# Altium PCB BW1098OBC.PcbDoc (part 2 of 3)
Units mm, origin at the board's own origin, x right, y up, seen from the top; angles counter-clockwise.
Board outline 100 x 46 mm, 4 copper layers (Top Copper, Layer 2, Layer 3, Bottom Layer), stack 1.577 mm thick; 138 components, 116 nets, 517 pads, 385 vias.
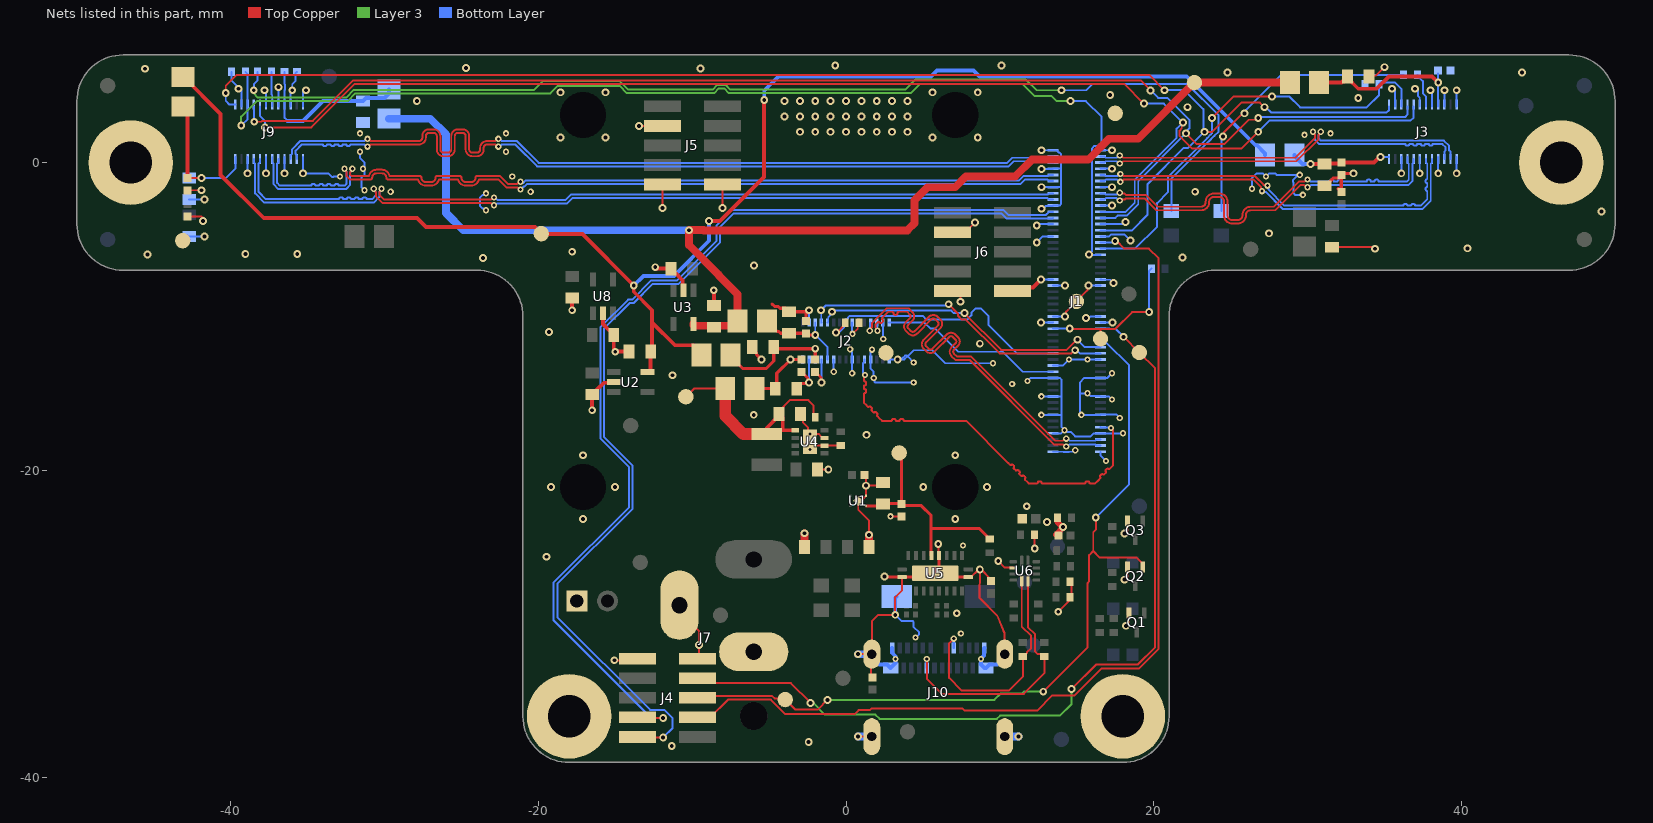
[diagram p4: the nets of this part, all layers, seen from the top]

## Via types
v1: diameter 0.508, hole 0.254, Top Copper to Bottom Layer, tented both sides, 256 vias
v2: diameter 0.406, hole 0.203, Top Copper to Bottom Layer, tented both sides, 111 vias
v3: diameter 0.508, hole 0.254, Top Copper to Bottom Layer, 16 vias
v4: diameter 0.3, hole 0.203, Top Copper to Bottom Layer, 2 vias

## Nets (pads, with @x,y where several pads share a name; then routed paths per layer and width w, separated by ;. In a path a pad name is that pad's centre, name@x,y a point inside that pad or via, vN(x,y) a via of type N, cw(c..) or ccw(c..) an arc to the next point about the centre after c; other vN are vias at no path point) (continued)
1V05: C22.2 FB3.1 L1.2 R7.2 TP13.1 U4.5 | length 16
  Top Copper w0.127: TP13.1@-10.41,-15.228 -9.882,-14.7 FB3.1@-7.85,-14.7 ; C22.2@-4.35,-16.4 C22.2@-4.35,-16.35 -4.35,-16.15 -3.65,-15.45 -2.45,-15.45 -2.1,-15.8 -2.1,-16.45 R7.2@-2,-16.55
  Top Copper w0.254: L1.2@-5.15,-17.65 -5.15,-17.25 -4.35,-16.45 C22.2@-4.35,-16.4 ; L1.2@-5.025,-17.525 -4.9,-17.4 -4.109,-17.4 ; C22.2@-4.35,-16.35 -4.109,-16.591 -4.109,-17.4 ; U4.5@-3.3,-17.4 -4.109,-17.4
  Top Copper w0.762: FB3.1@-7.85,-14.7 -7.85,-16.471 -6.671,-17.65 L1.2@-5.15,-17.65
1V05_IMX378: C1.2 C2.2 FB3.2 J2.15 | length 5.2
  Top Copper w0.203: FB3.2@-5.95,-14.7 C2.2@-4.6,-14.7 -4.5,-14.6 -4.5,-13.7 v1(-3.6,-12.8) C1.2@-2.9,-12.8
  Bottom Layer w0.127: v1(-3.6,-12.8) J2.15@-2.8,-12.8
1V8: C18.2 FB2.1 FB5.1 FB8.1 TP11.1 U2.5 | length 100.9
  Top Copper w0.254: FB8.1@-43.1,5.55 -43.069,5.581 -40.651,3.163 -40.651,-0.799 -37.85,-3.6 -27.9,-3.6 -27.3,-4.2 -20.231,-4.2 TP11.1@-19.808,-4.623 -19.793,-4.637 -17.142,-4.637 -13.8,-7.979 v1(-13.8,-8) -13.8,-8.4 -12.6,-9.6 -12.6,-10.4 ; U2.5@-12.9,-13.625 -12.773,-13.625 -12.7,-13.552 C18.2@-12.7,-12.275 -12.6,-12.175 -12.6,-10.4 ; FB2.1@-9.4,-12.5 -9.4,-12.4 -9.923,-11.877 -11.123,-11.877 -12.6,-10.4 ; v1(-8.9,-3.8) -8.191,-3.8 -5.325,-0.934 -5.325,4.05 v1(-5.312,4.063)
  Bottom Layer w0.254: v1(-13.8,-8) -13.165,-7.365 -11.185,-7.365 -8.905,-5.085 -8.905,-3.795 v1(-8.9,-3.8) ; v1(-5.312,4.063) -5.312,4.688 -4.4,5.6 5.531,5.6 5.908,5.977 8.292,5.977 8.669,5.6 22.15,5.6 26.627,1.123 26.727,1.123 27.25,0.6 FB5.1@27.25,0.5
1V8_IMX378: C3.2 C4.2 FB2.2 J2.13 | length 8.5
  Top Copper w0.203: FB2.2@-7.5,-12.5 -7.5,-12.6 -6.7,-13.4 -5.2,-13.4 -4.7,-12.9 -4.7,-12.1 C4.2@-4.7,-12 -4.6,-12.1 v1(-2,-12.1) C3.2@-2,-12.8
  Bottom Layer w0.127: J2.13@-2,-12.8 v1(-2,-12.1)
1V8_L: C9.2 C10.2 FB5.2 J3.1 | length 6.6
  Top Copper w0.254: v1(30.2,-0.1) C10.2@31.1,-0.1 31.15,-0.05 32.15,-0.05 C9.2@32.2,0 34.331,0 34.683,0.352 v1(34.752,0.352)
  Bottom Layer w0.127: v1(34.752,0.352) 34.76,0.36 J3.1@35.3,0.36
  Bottom Layer w0.254: FB5.2@29.15,0.5 29.15,0.423 29.673,-0.1 v1(30.2,-0.1)
1V8_R: C25.2 C26.2 FB8.2 J9.1 | length 9.7
  Top Copper w0.127: C25.2@-42.8,-1 v1(-41.9,-1)
  Top Copper w0.254: FB8.2@-43.1,3.65 -42.8,3.35 C25.2@-42.8,-1
  Bottom Layer w0.127: C26.2@-42.7,-1 -40.3,-1 -39.7,-0.4 J9.1@-39.7,0.36
2V8: C20.2 FB1.1 FB4.1 FB7.1 TP12.1 U3.5 | length 79.8
  Top Copper w0.508: U3.5@-9.925,-10.5 -9.925,-10.55 -9.871,-10.604 -8.671,-10.604 C20.2@-8.575,-10.7 -8.479,-10.604 -7.354,-10.604 FB1.1@-7.05,-10.3 -7.05,-8.556 -8.289,-7.317 -8.289,-7.285 -10.2,-5.374 v1(-10.2,-4.4) -10.192,-4.392 -9.248,-4.392 -9.232,-4.408 3.992,-4.408 4.456,-3.944 4.456,-2.444 5.3,-1.6 7.1,-1.6 7.8,-0.9 11,-0.9 12.1,0.2 12.44,0.2 12.448,0.192 15.752,0.192 17.103,1.543 18.993,1.543 TP12.1@22.65,5.2 FB4.1@28.85,5.2
  Bottom Layer w0.508: FB7.1@-29.7,2.85 -27.024,2.85 -26.005,1.832 -26.005,-3.274 -24.879,-4.4 v1(-10.2,-4.4)
2V8_IMX378: C5.2 C6.2 FB1.2 J2.11 J2.18 | length 6.2
  Top Copper w0.203: FB1.2@-5.15,-10.3 -4.464,-10.987 -4.364,-10.987 -4.25,-11.1 C6.2@-3.7,-11.1 ; C6.2@-3.6,-11.1 C5.2@-2.6,-11.1 -2.5,-11.2 v1(-2,-11.2)
  Bottom Layer w0.127: J2.18@-2,-10.4 v1(-2,-11.2) -1.2,-12 J2.11@-1.2,-12.8
2V8_L: C11.2 C12.2 FB4.2 J3.16 | length 10.9
  Top Copper w0.254: FB4.2@30.75,5.2 32.2,5.2 32.277,5.277 32.377,5.277 C12.2@32.6,5.5 ; C12.2@32.6,5.6 C12.2@32.6,5.5 ; v1(38.5,5.2) 38.1,5.6 35.3,5.6 34.5,4.8 33.3,4.8 C12.2@32.6,5.5
  Bottom Layer w0.127: J3.16@38.5,3.64 J3.16@38.5,3.775 38.5,4.51 38.482,4.527 38.482,4.873 38.5,4.89 v1(38.5,5.2) C11.2@38.5,5.8
2V8_R: C27.2 C28.2 FB7.2 J9.16 | length 10.9
  Bottom Layer w0.127: C27.2@-36.5,5.9 -36.5,5.091 -36.482,5.073 -36.482,4.727 -36.5,4.709 J9.16@-36.5,3.775 -36.5,2.9 -36.3,2.7
  Bottom Layer w0.254: -36.3,2.7 -35.3,2.7 -34,4 C28.2@-31.4,4 -31.2,4.2 -30,4.2 -29.7,4.5 FB7.2@-29.7,4.75
3V3: C15.2 C35.2 R13.2 TP9.1 U1.1 U5.6 | length 14.7
  Top Copper w0.203: U1.1@1.305,-22.33 2.27,-22.33 C15.2@2.4,-22.2 2.439,-22.161 3.6,-22.161 3.6,-19.021 TP9.1@3.455,-18.877 ; C35.2@3.6,-22.2 3.7,-22.3 4.9,-22.3 5.527,-22.927 5.527,-23.8 ; U5.6@5.55,-25.55 5.527,-25.527 5.527,-23.8 ; R13.2@9.343,-24.468 9.293,-24.468 9.195,-24.37 9.195,-24.32 8.675,-23.8 5.527,-23.8
2485_PGOOD: J1.37 J4.5 Q2.1 TP1.1 | length 52.9
  Top Copper w0.127: J4.5@-9.65,-34.8 -9.534,-34.685 -4.796,-34.685 -4.642,-34.838 -4.024,-34.838 -3.316,-35.546 -1.814,-35.546 v1(-1.204,-34.937) ; v1(12.824,-34.399) 15.706,-31.517 15.706,-27.333 15.805,-27.233 15.805,-25.52 16.073,-25.252 ; v1(16.239,-23.077) 16.239,-23.862 16.073,-24.027 16.073,-25.252 ; Q2.1@19.3,-26.29 19.3,-26.085 18.894,-25.679 16.5,-25.679 16.073,-25.252
  Layer 3 w0.127: v1(-1.204,-34.937) 9.652,-34.937 10.073,-34.515 11.444,-34.515 11.56,-34.399 v1(12.824,-34.399)
  Bottom Layer w0.127: v1(16.239,-23.077) 18.4,-20.916 18.4,-13.189 16.958,-11.746 16.947,-11.746 J1.37@16.8,-11.6
2485_WAKEUP: J1.41 J4.7 TP3.1 | length 56.1
  Top Copper w0.127: J4.7@-9.65,-33.53 -9.333,-33.847 -3.583,-33.847 v1(-2.3,-35.129) ; v1(14.668,-34.22) 16.256,-32.632 18.981,-32.632 20.093,-31.52 20.093,-13.374 TP3.1@19.07,-12.351 v1(18.047,-11.328)
  Layer 3 w0.127: v1(-2.3,-35.129) -2.14,-35.129 -1.373,-35.896 1.915,-35.896 2.185,-36.165 9.815,-36.165 10.024,-35.957 13.91,-35.957 14.668,-35.199 v1(14.668,-34.22)
  Bottom Layer w0.127: J1.41@16.559,-10.819 J1.41@16.54,-10.8 17.131,-10.8 17.15,-10.819 17.539,-10.819 v1(18.047,-11.328)
AUX_IO_IRQ: J1.69 J4.3 | length 62.4
  Top Copper w0.127: J4.3@-9.65,-36.07 -8.83,-36.07 -7.672,-34.911 -4.89,-34.911 -3.942,-35.859 0.564,-35.859 0.823,-35.6 1.554,-35.6 1.677,-35.477 7.571,-35.477 7.728,-35.635 12.424,-35.635 13.421,-34.637 14.863,-34.637 16.6,-32.9 19.034,-32.9 20.32,-31.614 20.32,-6.231 19.689,-5.6 18.095,-5.6 17.595,-5.1 v1(17.5,-5.1)
  Bottom Layer w0.127: J1.69@16.54,-5.2 17.42,-5.2 17.5,-5.12 v1(17.5,-5.1)
CAM_A_CLK_OUT: J1.28 J2.30 | length 12
  Bottom Layer w0.127: J2.30@2.8,-10.4 5.1,-10.4 5.5,-10.8 5.8,-10.8 7.3,-12.3 10.2,-12.3 11.5,-13.6 J1.28@13.46,-13.6
CAM_A_PWDN_N: J1.34 J2.23 R1.1 | length 17.8
  Top Copper w0.127: v1(-0.652,-11.052) -0.602,-11.052 0,-10.45 R1.1@-0.05,-10.4
  Bottom Layer w0.127: v1(-0.652,-11.052) -0.579,-10.979 -0.388,-10.979 -0.127,-10.718 -0.127,-10.667 0,-10.54 0,-10.26 0.126,-10.134 0.126,-10.082 0.222,-9.987 5.008,-9.987 5.226,-10.205 7.872,-10.205 8.149,-9.928 8.149,-9.76 8.427,-9.483 8.773,-9.483 9.273,-9.983 9.273,-10.573 11.1,-12.4 J1.34@13.46,-12.4
CAM_B_CLK_OUT: J1.73 J3.24 J9.24 | length 91.9
  Top Copper w0.127: v1(-40.324,4.523) -40.324,4.983 -39.603,5.704 19.704,5.704 v1(20.704,4.704) ; v1(23.3,2) 23.8,2 25.7,3.9 26.9,3.9 v1(27.2,3.6)
  Bottom Layer w0.127: v1(-40.324,4.523) -40.324,4.015 -40.084,3.775 J9.24@-39.7,3.775 ; J1.73@16.54,-4.4 16.558,-4.417 18.583,-4.417 19.6,-3.4 19.6,-1.4 21.95,0.95 22.25,0.95 v1(23.3,2) 23.227,2.073 23.227,3.473 21.996,4.704 v1(20.704,4.704) ; v1(27.2,3.6) 27.303,3.6 27.662,3.241 35.134,3.241 35.3,3.407 J3.24@35.3,3.64
CAM_B_D_PWM: J1.65 J9.22 R9.1 | length 72.8
  Layer 3 w0.127: v1(-39.318,2.411) -39.318,2.982 -38.3,4 -32.4,4 -31.9,4.5 -19.225,4.5 -18.74,4.985 -14.706,4.985 -14.239,4.517 -8.573,4.517 -8.273,4.817 -7.927,4.817 -7.627,4.517 4.217,4.517 4.8,5.1 11.5,5.1 12.283,4.317 13.373,4.317 13.69,4 v1(14.6,4)
  Bottom Layer w0.127: v1(-39.318,2.411) -38.9,2.828 J9.22@-38.9,3.775 -38.9,4.51 -38.917,4.527 -38.917,4.873 -38.9,4.89 -38.9,5.75 R9.1@-39.05,5.9 ; v1(14.6,4) 15.6,4 16.618,2.983 16.618,1.318 16.382,1.082 16.151,1.082 16,0.931 16,-5.769 v1(15.789,-5.98) 15.81,-6 J1.65@16.54,-6
CAM_B_PWDN_N: J1.67 J3.22 R2.1 | length 28.4
  Top Copper w0.127: v1(23.8,2.9) 25.2,4.3 v1(27.7,4.3)
  Bottom Layer w0.127: J1.67@16.54,-5.6 18.781,-5.6 20.22,-4.161 20.22,-2.631 20.923,-1.928 20.923,-0.966 23.471,1.583 23.473,1.583 23.717,1.827 23.717,1.829 23.8,1.911 v1(23.8,2.9) ; v1(27.7,4.3) 28.8,4.3 29.517,3.583 33.848,3.583 34.65,4.385 R2.1@34.65,5.1 34.767,5.218 35.673,5.218 36.1,4.79 J3.22@36.1,3.775 J3.22@36.1,3.64
CC1: J10.A5 R18.2 U6.1 | length 15.5
  Top Copper w0.127: v2(7.005,-30.951) 6.7,-31.256 6.7,-33.5 7.507,-34.307 10.607,-34.307 11.5,-33.414 R18.2@11.5,-32.1 11.55,-32.1 11.762,-31.888 11.762,-31.838 12.031,-31.569 12.031,-30.776 11.425,-30.169 U6.1@11.425,-27.2
  Bottom Layer w0.158: J10.A5@7,-31.55 7.002,-31.548 7.002,-30.954 v2(7.005,-30.951)
CC2: J10.B5 R19.2 U6.2 | length 17.1
  Top Copper w0.127: v2(5.252,-32.272) 5.252,-33.552 6.234,-34.534 11.566,-34.534 12.9,-33.2 R19.2@12.9,-32.1 12.742,-31.942 12.44,-31.942 12.288,-31.79 12.288,-30.669 11.825,-30.206 U6.2@11.825,-27.2
  Bottom Layer w0.152: J10.B5@5.25,-32.85 J10.B5@5.25,-32.85 5.251,-32.273 v2(5.252,-32.272)
COM_AUX_IO2: J1.42 R4.1 TP4.1 | length 10.3
  Top Copper w0.127: v1(14.543,-10.778) 14.584,-10.819 16.528,-10.819 ; TP4.1@16.548,-11.456 16.548,-10.839 16.528,-10.819 ; v1(19.709,-9.719) 18.596,-9.719 17.496,-10.819 16.528,-10.819
  Bottom Layer w0.127: J1.42@13.46,-10.8 14.521,-10.8 v1(14.543,-10.778) ; v1(19.709,-9.719) 19.709,-7.041 R4.1@19.85,-6.9
FSIN1: R3.2 R24.2 | length 18.5
  Top Copper w0.127: v1(24.5,1.7) 24.573,1.773 24.573,1.973 25.8,3.2 v1(25.9,3.2)
  Bottom Layer w0.127: R24.2@24.4,-3.15 24.4,1.497 24.5,1.597 v1(24.5,1.7) ; v1(25.9,3.2) 25.9,3.3 28.3,5.7 R3.2@36.25,5.7
FSIN1_IN: J3.18 R3.1 | length 2.3
  Bottom Layer w0.127: R3.1@37.15,5.7 37.15,5.65 37.5,5.3 37.5,4.5 37.7,4.3 J3.18@37.7,3.775 J3.18@37.7,3.64
FSIN2: R10.2 R26.2 | length 74.3
  Layer 3 w0.127: v1(-38.5,4.7) -38.5,4.5 -38.227,4.227 -32.494,4.227 -31.994,4.727 -20.273,4.727 -19.7,5.3 -14.7,5.3 -14.144,4.744 -8.667,4.744 -8.367,5.044 -7.833,5.044 -7.533,4.744 3.845,4.744 4.5,5.4 11.7,5.4 12.4,4.7 v1(14,4.7)
  Bottom Layer w0.127: v1(-38.5,4.7) -38.5,5.103 -38.25,5.353 R10.2@-38.25,5.9 ; v1(14,4.7) 15.624,4.7 16.045,5.121 22.169,5.121 24.218,3.073 24.218,2.008 23.944,1.735 23.944,1.733 23.567,1.356 23.565,1.356 21.15,-1.06 R26.2@21.15,-3.15
FSIN2_IN: J9.18 R10.1 | length 2.3
  Bottom Layer w0.127: R10.1@-37.35,5.9 -37.35,4.428 -37.3,4.378 J9.18@-37.3,3.775 J9.18@-37.3,3.64
GND: B1.1 C1.1 C2.1 C3.1 C4.1 C5.1 C6.1 C7.1 C8.1 C9.1 C10.1 C11.1 C12.1 C13.1 C14.1 C15.1 C16.1 C17.1 C18.1 C19.1 C20.1 C21.1 C22.1 C23.1 C24.1 C25.1 C26.1 C27.1 C28.1 C29.1 C30.1 C35.1 C36.1 C37.1 C38.1 C39.1 J1.1 J1.2 J1.7 J1.8 J1.13 J1.14 J1.19 J1.20 J1.25 J1.26 J1.30 J1.31 J1.43 J1.44 J1.45 J1.46 J1.55 J1.56 J1.57 J1.58 J1.71 J1.72 J1.75 J1.76 J1.81 J1.82 J1.87 J1.88 J1.93 J1.94 J1.99 J1.100 J2.1 J2.4 J2.7 J2.10 J2.12 J2.14 J2.17 J2.24 J2.29 J3.3 J3.6 J3.9 J3.12 J3.13 J3.15 J3.17 J3.19 J3.23 J4.9 J4.10 J5.3 J5.9 J5.10 J6.3 J6.9 J6.10 J7.2 J7.3 J8.P1 J9.3 J9.6 J9.9 J9.12 J9.13 J9.15 J9.17 J9.19 J9.23 J10.A1 J10.A12 J10.B1 J10.B12 J10.SH1 J10.SH2 J10.SH3 J10.SH4 MH1.1 MH2.1 MH3.1 MH4.1 MP5.1 MP6.1 MP7.1 MP8.1 Q1.2 Q2.2 Q3.2 R1.2 R2.2 R8.1 R9.2 R11.1 R12.2 R14.2 R16.2 TP14.1 TP15.1 TP16.1 TP17.1 U1.2 U1.5 U2.2 U3.2 U4.2 U4.3 U4.9 U5.5 U5.11 U5.20 U5.21 U6.10 U8.2 | length 222.3
  Top Copper w0.127: C23.1@-42.8,-3.5 -41.9,-3.5 -41.8,-3.6 v1(-41.8,-3.8) ; C25.1@-42.8,-1.8 v1(-41.9,-1.8) ; v1(-39.5,4.8) v1@-39.5,4.9 ; v1(-15.062,-32.357) -13.647,-32.357 J4.10@-13.55,-32.26 ; v1(-13.466,2.383) J5.3@-11.932,2.383 J5.3@-11.928,2.386 ; J5.9@-11.936,-1.424 J5.9@-11.932,-1.427 v1(-11.932,-2.961) ; J7.2@-10.825,-28.775 -10.825,-29.179 -9.561,-30.443 v1(-9.561,-31.372) J4.9@-9.561,-32.26 ; J4.9@-9.65,-32.26 -9.605,-32.215 J4.9@-9.333,-31.943 ; J5.10@-8.036,-1.424 J5.10@-8.032,-1.427 v1(-8.032,-2.961) ; J7.3@-6.143,-31.943 J7.3@-6,-31.8 ; C22.1@-2.95,-16.35 -2.784,-16.516 -2.784,-16.916 -2.466,-17.234 -2.466,-18.034 U4.9@-2.35,-18.15 ; C21.1@-1.85,-19.95 v1(-1.15,-19.95) ; U4.3@-1.4,-17.9 -1.476,-17.823 -1.598,-17.823 -1.784,-17.637 -1.963,-17.637 -2.35,-18.024 U4.9@-2.35,-18.15 ; R8.1@-0.35,-18.4 U4.2@-1.4,-18.4 -2.1,-18.4 U4.9@-2.35,-18.15 ; v2(0.419,-11.135) 0.763,-10.791 0.763,-10.487 R1.2@0.85,-10.4 ; v1(0.78,-37.32) J10.SH3@1.68,-37.32 ; v1(0.78,-31.96) J10.SH4@1.68,-31.96 ; C16.1@1.2,-20.3 1.305,-20.405 v1(1.305,-21.005) ; v1(1.5,-24.2) 1.5,-23.286 0.795,-22.582 U1.5@0.795,-22 0.975,-22 U1.2@1.305,-21.67 v1(1.305,-21.005) ; C30.1@1.621,-33.471 1.621,-32.019 J10.SH4@1.68,-31.96 ; C15.1@2.4,-20.8 2.195,-21.005 v1(1.305,-21.005) ; v2(2.9,-23) C35.1@3.6,-23 ; 3.65,-27.075 3.65,-27.802 3.2,-28.252 v1(3.2,-29.4) 2.1,-29.4 1.68,-29.82 J10.SH4@1.68,-31.96 ; U5.21@5.55,-26.95 U5.21@6.05,-26.45 ; v1(6,-24.8) 6.025,-24.825 6.025,-25.525 U5.5@6.05,-25.55 ; J6.9@6.928,-8.347 7.137,-8.347 7.454,-8.663 v1(7.454,-9.048) ; J6.3@6.928,-4.537 7.748,-4.537 8.065,-4.22 8.065,-4.217 v1(8.379,-3.903) ; U5.20@7.95,-26.95 8.125,-26.95 8.62,-26.455 v1(8.7,-26.455) ; C36.1@9.425,-27.2 9.425,-27.1 8.781,-26.455 v1(8.7,-26.455) ; v1(9.9,-25.9) 10.331,-26.331 10.856,-26.331 U6.10@10.875,-26.35 ; J10.SH1@10.32,-31.96 10.3,-30.6 9.833,-29.453 8.687,-28.307 v1(8.7,-26.455) ; R12.2@12.25,-24.2 12.25,-25.062 v1(12.268,-25.08) ; C29.1@13.65,-24.25 C29.1@13.65,-24.2 ; v1(13.8,-29.2) 14.65,-28.35 R16.2@14.65,-27.25 ; v1@14.1,-23.75 14.1,-23.725 v1(14.1,-23.7) ; v1(14.243,-10.002) 14.311,-9.935 14.311,-9.695 TP14.1@14.978,-9.027 15.695,-8.311 15.695,-8.06 v1(15.757,-7.998) ; v1(18.105,-27.116) 18.3,-26.921 Q2.2@18.3,-26.29 ; v1(18.105,-24.116) 18.3,-23.921 Q3.2@18.3,-23.29 ; v1(18.205,-30.116) 18.4,-29.921 Q1.2@18.4,-29.29 ; C8.1@31.6,-5.5 34.197,-5.5 34.297,-5.6 v1(34.4,-5.6) ; C12.1@34,5.6 34.066,5.666 34.466,5.666 v1(35,6.2)
  Top Copper w0.203: C4.1@-6.1,-12 -6.1,-12.1 -5.813,-12.386 -5.813,-12.487 v1(-5.5,-12.8) ; -4.8,-9.2 -4.652,-9.348 -4.416,-9.348 -4.295,-9.47 -3.93,-9.47 C6.1@-3.7,-9.7 -2.603,-9.7 -2.503,-9.6 v1(-2.4,-9.6) -2.4,-9.665 -2.6,-9.865 C5.1@-2.6,-10.3 ; C2.1@-3.2,-14.7 -3.2,-14.6 -2.952,-14.352 -2.452,-14.352 v1(-2.4,-14.3) -2.473,-14.227 -2.473,-14.027 C1.1@-2.9,-13.6 ; C3.1@-2,-13.6 -1.624,-13.976 -1.624,-14.276 v1(-1.6,-14.3) ; v1(2.5,-26.9) 2.55,-26.95 U5.11@3.65,-26.95 5.55,-26.95 U5.20@7.95,-26.95 ; U5.21@6.05,-26.45 U5.5@6.05,-25.55 ; C10.1@31.1,-1.5 31.2,-1.5 31.703,-0.996 32.003,-0.996 C9.1@32.2,-0.8 ; C7.1@32.003,-1.703 C7.1@32.2,-1.9 C9.1@32.2,-0.8 ; v1(33,-0.7) 32.3,-0.7 C9.1@32.2,-0.8
  Top Copper w0.254: v1(-17.8,-9.6) C39.1@-17.8,-8.8 ; v1(-16.5,-16.1) C17.1@-16.5,-15.075 -16.4,-15.075 -16.177,-14.852 -16.177,-14.752 -15.74,-14.315 -15.14,-14.315 U2.2@-15.1,-14.275 ; U8.2@-15.8,-9.8 -15.8,-10.5 -15.423,-10.877 -15.323,-10.877 -15.1,-11.1 C38.1@-15.1,-11.2 -15.1,-12.131 -15,-12.231 v1(-15,-12.3) -14.975,-12.275 C18.1@-14.1,-12.275 ; v1(-12.4,-6.8) -12.3,-6.9 C19.1@-11.375,-6.9 -11.375,-7 -11.152,-7.223 -11.052,-7.223 -10.615,-7.66 -10.615,-8.26 U3.2@-10.575,-8.3 ; v1(-8.6,-8.3) -8.575,-8.325 C20.1@-8.575,-9.3 ; U5.21@5.8,-26.7 U5.21@6.05,-26.45 ; v3@7.075,-23.2 v3(7.1,-23.175) ; J6.10@10.828,-8.347 11.044,-8.131 12.144,-8.131 v1(12.677,-7.598)
  Top Copper w0.381: C29.1@13.65,-24.2 14.1,-23.75 14.112,-23.737 14.1,-23.725 13.75,-23.375 R11.1@13.75,-23.1
  Top Copper w0.508: C13.1@-2.7,-25 v1(-2.7,-24.1) ; C14.1@1.5,-25 v1(1.5,-24.2)
  Bottom Layer w0.127: C24.1@-42.7,-4.8 v1(-41.7,-4.8) ; C26.1@-42.7,-2.4 v1(-41.7,-2.4) ; R9.2@-39.95,5.9 -39.95,5.35 v1@-39.4,4.8 ; v1(-39.5,4.8) v1@-39.4,4.8 ; J9.23@-39.3,3.64 -39.3,4.7 v1@-39.4,4.8 ; v1(-38.9,-0.7) J9.3@-38.9,0.225 J9.3@-38.9,0.36 ; v1(-37.8,4.7) -37.7,4.7 J9.19@-37.7,3.775 J9.19@-37.7,3.64 ; v1(-37.7,-0.7) J9.6@-37.7,0.225 J9.6@-37.7,0.36 ; J9.17@-36.9,3.64 -36.9,4.7 -37,4.8 v1(-36.9,4.9) ; v1(-36.5,-0.7) J9.9@-36.5,0.225 J9.9@-36.5,0.36 ; J9.15@-36.1,3.64 J9.15@-36.1,3.775 -36.1,4.7 v1(-36,4.7) -36,5.1 -35.776,5.324 -35.776,5.824 C27.1@-35.7,5.9 ; J9.12@-35.3,0.36 v1(-35.3,-0.7) -33.655,-0.7 -33.422,-0.932 -33.317,-0.932 -33.285,-0.9 v2(-32.9,-0.9) ; J9.13@-35.3,3.64 -35.3,4.7 v1(-35.1,4.7) ; v2(-31.6,0.7) -31.6,0.3 -31.3,0 -31.3,-0.224 -31.4,-0.324 v2(-31.4,-0.4) -31.4,-0.476 -31.3,-0.576 -31.3,-0.8 -31.5,-1 -31.5,-1.6 v2(-31.3,-1.8) ; v2(-23.4,-3.1) -23.476,-3.1 -23.577,-2.999 -23.601,-2.999 -23.8,-2.8 -23.8,-2.3 -23.601,-2.101 -23.577,-2.101 -23.476,-2 v2(-23.4,-2) ; v1(-2.4,-14.3) J2.14@-2.4,-12.8 ; J2.17@-2.4,-10.4 v1(-2.4,-9.6) ; v1(-1.6,-14.3) J2.12@-1.6,-12.8 ; v2(-0.8,-13.6) J2.10@-0.8,-12.8 ; v2(0.268,-12.138) 0.268,-12.214 0.4,-12.346 J2.7@0.4,-12.8 v2(0.4,-13.7) ; J2.24@0.4,-10.4 0.4,-11.116 v2(0.419,-11.135) ; v2(1.698,-12.165) 1.698,-12.24 1.6,-12.338 J2.4@1.6,-12.8 1.6,-13.4 1.8,-13.6 v2(1.8,-14) 1.851,-14.051 1.851,-14.251 1.9,-14.3 v2(4.4,-14.3) ; J2.29@2.4,-10.4 2.404,-10.404 2.404,-10.766 2.42,-10.782 v2(2.42,-11.463) ; J2.1@2.8,-12.8 v1(3.36,-12.8) ; v1(3.2,-29.4) 3.6,-29.8 4.326,-29.8 4.4,-29.874 4.4,-30.2 4.747,-30.547 4.747,-30.653 4.525,-30.875 v2(4.516,-30.875) ; v2(4.4,-13) 4,-12.6 ; v2(9.55,-13.048) 6.448,-13.048 5.6,-12.2 4.4,-12.2 4,-12.6 ; v2(11.8,-14.2) 11.814,-14.2 12.014,-14 J1.26@13.46,-14 13.468,-14.008 13.908,-14.008 14,-14.1 14,-15.2 ; v1(12.4,-5.2) 12.8,-4.8 J1.72@13.46,-4.8 ; v1(12.4,-4.1) 12.5,-4 J1.76@13.46,-4 ; v1(12.677,-10.398) 13.458,-10.398 J1.44@13.46,-10.4 ; v1(12.677,-7.598) 12.679,-7.6 J1.58@13.46,-7.6 ; v2(12.7,-16.4) J1.14@13.46,-16.4 14,-16.4 ; v2(12.7,-15.2) J1.20@13.46,-15.2 14,-15.2 ; v1(12.7,-3) 12.803,-3 12.977,-2.826 13.434,-2.826 J1.82@13.46,-2.8 13.476,-2.784 13.899,-2.784 13.974,-2.709 13.974,-1.6 ; v1(12.7,-1.6) J1.88@13.46,-1.6 13.974,-1.6 ; v1(12.7,-0.416) 13.444,-0.416 J1.94@13.46,-0.4 13.974,-0.4 ; v1(12.7,0.8) J1.100@13.46,0.8 13.72,0.8 13.747,0.774 13.747,0.728 13.821,0.653 13.878,0.653 13.974,0.558 13.974,-0.4 ; J1.2@13.46,-18.8 14.148,-18.8 14.168,-18.82 14.472,-18.82 14.491,-18.8 14.724,-18.8 14.824,-18.7 v2(14.9,-18.7) ; J1.8@13.46,-17.6 13.986,-17.6 14.186,-17.4 v2(14.2,-17.4) ; J1.30@13.46,-13.2 14.1,-13.2 v2(14.5,-12.8) v2(15.7,-12.8) J1.31@16.54,-12.8 ; J1.46@13.46,-10 14.241,-10 v1(14.243,-10.002) ; J1.56@13.46,-8 14.241,-8 v1(14.243,-8.002) ; v1(15.6,-10.1) 15.673,-10.027 15.873,-10.027 15.9,-10 J1.45@16.54,-10 ; v1(15.757,-7.998) 15.759,-8 J1.55@16.54,-8 ; J1.1@16.54,-18.8 16.54,-19.04 v2(16.9,-19.4) ; J1.43@16.54,-10.4 17.321,-10.4 v1(17.323,-10.402) ; J1.57@16.54,-7.6 16.577,-7.6 16.594,-7.618 17.178,-7.618 v1(17.4,-7.839) ; J1.71@16.54,-4.8 17.1,-4.8 17.218,-4.682 18.12,-4.682 v1(18.5,-5.062) ; J1.75@16.54,-4 18.048,-4 v1(18.179,-3.869) ; J1.81@16.54,-2.8 v1(17.3,-2.8) ; J1.87@16.54,-1.6 v1(17.3,-1.6) ; J1.93@16.54,-0.4 v1(17.3,-0.4) ; J1.99@16.54,0.8 v1(17.3,0.8) ; v2(17.3,-15.4) 17.286,-15.4 17.086,-15.2 J1.19@16.54,-15.2 16.52,-15.18 15.914,-15.18 15.734,-15 v2(15.7,-15) 15.2,-15 ; v2(17.3,-13.7) 17,-14 J1.25@16.54,-14 15.5,-14 15.2,-14.3 15.2,-15 ; v2(17.8,-16.6) 17.786,-16.6 17.562,-16.377 16.563,-16.377 J1.13@16.54,-16.4 15.922,-16.4 15.902,-16.42 15.598,-16.42 15.591,-16.412 15.312,-16.412 v2(15.3,-16.4) 15.3,-16.324 15.2,-16.224 15.2,-15 ; v2(18,-17.6) 17.391,-17.6 17.375,-17.616 17.071,-17.616 17.054,-17.6 J1.7@16.54,-17.6 16.1,-17.6 15.9,-17.8 14.9,-17.8 14.606,-17.506 14.381,-17.506 14.276,-17.4 v2(14.2,-17.4) ; v2(26.4,-1.7) 26.4,-1.2 26.353,-1.153 26.353,-1.047 26.7,-0.7 27.086,-0.7 27.286,-0.9 v2(27.3,-0.9) 27.314,-0.9 27.514,-0.7 27.9,-0.7 28,-0.8 v2@29.424,-0.8 ; v2(29.5,-0.8) v2@29.424,-0.8 ; v2(29.7,-2.1) 29.2,-2.1 29.1,-2 29.1,-1.3 29.053,-1.253 29.053,-1.147 29.299,-0.901 29.323,-0.901 v2@29.424,-0.8 ; v1(35.5,4.8) 35.6,4.8 35.7,4.7 J3.23@35.7,3.64 ; v1(36.1,-0.7) J3.3@36.1,0.225 J3.3@36.1,0.36 ; v1(37,4.8) 37.2,4.8 37.2,4.317 37.3,4.217 J3.19@37.3,3.775 J3.19@37.3,3.64 ; v1(37.3,-0.7) J3.6@37.3,0.225 J3.6@37.3,0.36 ; v1(38,4.7) 38.1,4.7 J3.17@38.1,3.64 ; v1(38.5,-0.7) J3.9@38.5,0.225 J3.9@38.5,0.36 ; J3.15@38.9,3.64 J3.15@38.9,3.775 v1(38.9,4.7) ; v1(39.7,-0.7) J3.12@39.7,0.36 ; J3.13@39.7,3.64 J3.13@39.7,3.775 v1(39.7,4.7) ; v1(3.36,-12.8) 3.8,-12.8 4,-12.6 ; v1(3.36,-12.8) 3.427,-12.733 3.667,-12.733 3.847,-12.553 3.953,-12.553 4,-12.6 ; 13.974,-1.6 13.974,-0.4 ; 14,-16.4 14,-15.2 ; 14,-16.4 14,-17.186 14.2,-17.386 v2(14.2,-17.4)